# Allegro board MB1209_REVD_160617_FAB4.brd (continued)
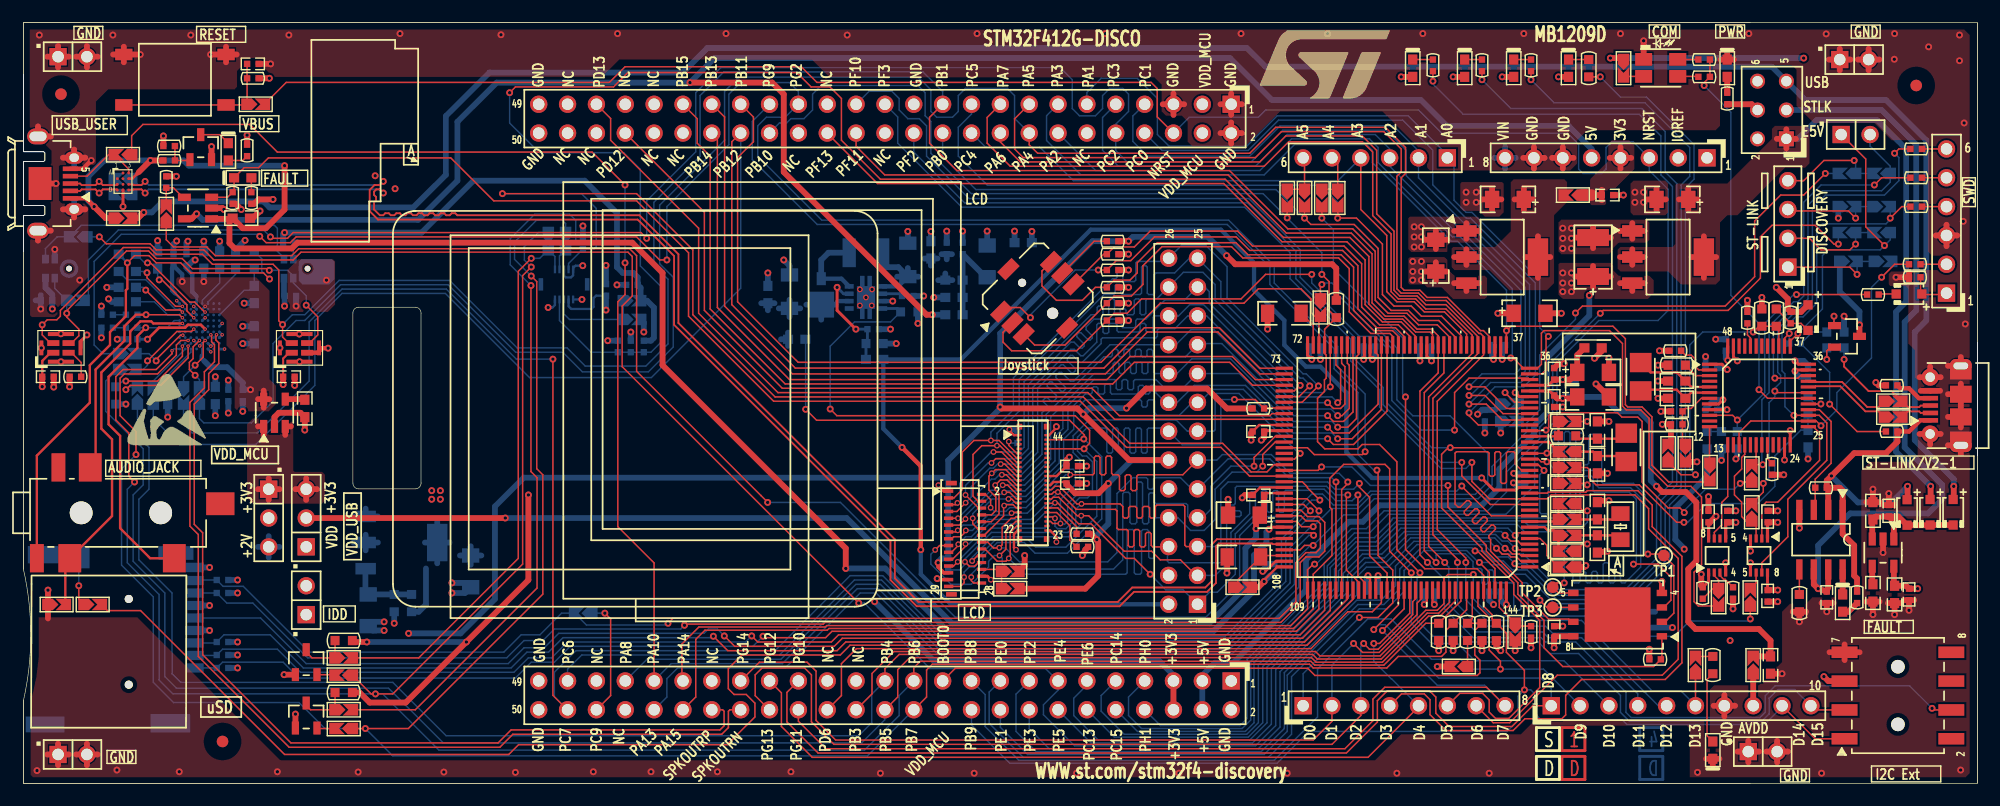
[diagram p0: board, top side]
## Routing (per net, layer and track width the routed paths; a pad name or vN(x,y) marks a point on that pad's centre or on a via; arc(x,y) is an arc through that point) (continued)
T_SWO: length 44.5
  TOP w0.127: SB24.1 153.16,25.65 v1(153.16,26.42) ; v1(154.18,34.54) 154.31,34.41 U6.31 ; R11.2 165.1,55.88 v1(164.72,55.5)
  BOTTOM w0.127: v1(153.16,26.42) 153.67,26.92 153.67,33.53 154.18,34.04 v1(154.18,34.54) 154.18,34.8 154.69,35.31 154.69,35.94 154.43,36.2 154.43,40.01 155.96,41.53 156.46,41.53 157.48,42.55 157.48,50.67 158.62,51.82 163.83,51.82 165.1,53.09 165.1,55.12 v1(164.72,55.5)
U5V: length 204.5
  TOP w0.508: D6.1 169.93,25.05 v1(169.93,26.16) ; v1(10.59,50.29) 10.08,49.78 R21.1
  BOTTOM w0.508: v1(10.59,50.29) 11.3,50.29 12.27,51.26 21.13,51.26 21.67,50.72 34.32,50.72 37.19,53.59 37.19,58.78 41.02,62.61 58.04,62.61 60.2,64.77 107.7,64.77 109.35,63.12 153.92,63.12 JP3.5 156.84,60.2 163.96,60.2 167.51,56.64 167.51,40.77 166.5,39.75 166.5,30.23 169.93,26.8 v1(169.93,26.16)
U5V_ST_LINK: length 66.8
  TOP w0.508: U8.6 157.61,17.53 v1(157.99,17.14) C32.2 158.88,17.27 U8.7
  BOTTOM w0.508: JP3.3 163.58,59.31 166.62,56.26 166.62,41.66 165.61,40.64 165.61,29.59 168.91,26.29 168.91,25.02 167.67,23.77 160.81,23.77 157.99,20.95 v1(157.99,17.14)
USB_RENUMN: length 2.2
  TOP w0.127: U6.38 155.03,39.21 v1(155.45,39.62)
  BOTTOM w0.127: R83.2 v1(155.45,39.62)
VL: length 13.8
  BOTTOM w0.381: U17.1 77,43.77 C81.1
  BOTTOM w0.508: L3.2 81.78,44.32 ; L3.2 81.15,44.91 ; L3.2 80.53,44.32 ; C78.2 80.47,46.23 ; C78.2 79.3,46.23 ; C78.2 79.88,45.61 ; 80.82,46.61 C85.2 ; C85.2 81.74,46.61 ; C85.2 81.28,46.15 ; L5.1 75.64,45.77 75.95,45.47 77.01,45.47 C81.1 ; C81.1 78.79,44.63 ; C81.1 76.91,44.63 ; C81.1 77.85,45.39
VREF+: length 44.8
  TOP w0.254: U7.32 134.35,34.56 C17.2
  TOP w0.508: C15.1 136.65,33.91 v1(135.51,33.91) 135,33.91 C17.2 ; R74.1 C38.2 153.8,12.57 152.78,13.59 147.19,13.59 146.56,14.22 146.56,18.87 147.27,19.58 147.27,24.74 146.35,25.65 144.27,25.65 v1(143.76,26.16)
  BOTTOM w0.508: v1(135.51,33.91) 135.64,34.04 R91.1 139.06,34.04 140.33,32.77 142.24,32.77 143.26,31.75 143.26,26.67 v1(143.76,26.16)
VUSB_ST_LINK: length 34.9
  TOP w0.381: R42.2 165.99,30.99 166.98,31.97 CN6.1
  TOP w0.508: D4.1 165.86,25.03 v1(165.86,26.16) ; R42.2 164.97,30.1 163.96,29.08 161.16,29.08 v1(159.16,27.08) 158.75,26.67 R51.1 ; R60.2 161.42,18.03 161.16,18.29 161.16,20.95 160.15,21.97 U8.1 160.15,25.78 159.89,26.04 R51.1 ; U8.2 158.88,25.91 R51.1
  BOTTOM w0.508: v1(159.16,27.08) 161.49,24.74 164.44,24.74 v1(165.86,26.16)

## Copper pours and planes (outline as drawn; the poured copper is in the pictures)
+1V8 on TOP: 13.59,44.58 20.47,44.58 21.67,43.38 21.67,35.59 22.23,35.03 22.23,33.4 21.59,32.77 18.92,32.77 18.8,32.89 18.77,32.89 18.59,33.07 18.59,37.85 17.88,38.56 17.88,40.79 17.27,41.4 16.38,41.4 15.11,42.67 14.73,42.67 13.46,43.94 13.46,44.45
+2V on BOTTOM: 40.64,19.05 40.39,18.8 37.85,18.8 37.59,18.54 34.67,18.54 33.4,19.81 27.69,19.81 26.67,18.8 20.7,18.8 20.19,19.3 20.19,22.23 20.45,22.48 25.91,22.48 26.29,22.1 34.04,22.1 35.31,23.37 40.39,23.37 40.64,23.11
+3V3 on TOP (solid shape): 137.67,51.31 136.75,51.31 136.24,51.82 136.75,52.32 137.67,52.32
+3V3 on TOP: 26.29,24.64 20.19,24.64 19.68,25.15 19.68,31.62 20.19,32.13 23.37,32.13 23.75,31.75 23.75,27.56 23.88,27.43 26.29,27.43 26.54,27.18 26.54,24.89
+3V3 on TOP: 139.32,52.12 139.32,51.05 139.19,50.93 138.05,50.93 137.92,51.05 137.92,53.21 139.52,54.81 139.52,56.34 139.83,56.64 141.35,56.64 141.81,56.18 141.81,54.1 140.11,52.4 139.6,52.4
+3V3 on BOTTOM: 27.3,22.86 25.53,24.64 20.8,24.64 20.32,25.12 20.32,27.3 20.57,27.56 26.19,27.56 26.92,26.82 26.92,25.91 27.56,25.27 34.42,25.27 35.56,26.42 37.47,26.42 37.59,26.29 37.59,24.13 37.21,23.75 34.92,23.75 34.04,22.86
+3V3 on L2_VCC: 49.28,15.75 49.28,21.34 48.26,22.35 23.62,22.35 23.5,22.48 23.5,24 22.61,24.89 20.7,24.89 20.45,25.15 20.45,28.83 20.95,29.34 28.45,29.34 28.57,29.21 28.57,26.54 34.54,26.54 34.54,42.42 34.42,42.55 27.94,42.55 27.94,48.39 27.05,49.28 22.63,49.28 21.72,48.37 21.72,37.44 21.23,36.96 16.74,36.96 16.38,37.32 16.38,38.76 16.51,38.88 16.51,40.49 15.98,41.02 14.71,41.02 14.08,41.66 12.42,41.66 11.81,42.27 11.81,53.57 11.15,54.23 10.01,54.23 9.27,54.97 9.27,57.43 10.01,58.17 19.66,58.17 20.45,58.95 20.45,59.97 20.93,60.45 22.33,60.45 24.26,62.38 24.26,66.49 149.61,66.49 149.61,51.29 148.87,50.55 138.41,50.55 138.05,50.91 138.05,52.85 139.45,54.25 139.45,57 138.54,57.91 122.3,57.91 122.3,58.91 119.87,61.34 103.15,61.34 102.11,60.3 102.11,48.92 105.79,45.23 105.79,28.09 106.96,26.92 113.94,26.92 114.43,26.44 114.43,21.31 113.81,20.7 112.54,20.7 111.78,19.94 108.73,19.94 104.16,15.37 49.66,15.37
+3V3_ST_LINK on TOP (solid shape): 141.37,63.34 140.86,62.83 140.35,63.34 140.35,64.26 141.37,64.26
+3V3_ST_LINK on TOP (solid shape): 145.29,28.99 144.78,29.5 144.27,28.99 144.27,30.35 145.29,30.35
+3V3_ST_LINK on BOTTOM (solid shape): 160.81,45.97 160.31,45.47 159.38,45.47 159.38,46.48 160.31,46.48
+3V3_ST_LINK on L2_VCC: 156.32,13.97 155.45,14.84 155.45,21.31 153.01,23.75 149.75,23.75 148.61,22.61 144.02,22.61 144.02,32.62 142.85,33.78 141.58,33.78 141.22,34.14 141.22,42.04 154.54,42.04 156.21,43.71 156.21,54.74 154.31,56.64 154.31,66.17 154.63,66.49 171.49,66.49 171.49,13.97
+5V on TOP: 125.48,45.21 125.98,44.7 128.65,44.7 128.84,44.51 128.84,42.86 128.65,42.67 125.86,42.67 124.84,43.69 123.57,43.69 123.32,43.94 122.05,43.94 121.92,44.07 121.92,46.23 122.05,46.35 125.09,46.35 125.48,45.97
+5V on L2_VCC: 126.47,42.55 125.45,43.56 123.68,43.56 123.3,43.94 122.03,43.94 121.92,44.05 121.92,51.58 122.3,51.96 122.3,57.4 138.32,57.4 138.94,56.79 138.94,54.46 137.54,53.06 137.54,50.69 138.2,50.04 149.08,50.04 150.11,51.08 150.11,66.04 150.37,66.29 153.54,66.29 153.8,66.04 153.8,56.39 155.7,54.48 155.7,43.92 154.33,42.55
GND on TOP (solid shape): 3.08,15.75 2.57,15.24 1.65,15.24 1.65,16.26 2.57,16.26
GND on TOP (solid shape): 88.14,18.16 86.78,18.16 87.28,18.67 86.77,19.18 88.14,19.18
GND on TOP (solid shape): 125.95,10.29 126.46,9.78 125.09,9.78 125.09,10.79 126.46,10.79
GND on TOP (solid shape): 131.83,12.06 130.81,12.06 130.81,13.43 131.32,12.92 131.83,13.43
GND on TOP (solid shape): 146.81,27.81 145.8,27.81 145.8,29.17 146.3,28.67 146.81,29.18
GND on BOTTOM (solid shape): 130.97,31.88 130.46,31.37 129.54,31.37 129.54,32.38 130.46,32.38
GND on BOTTOM (solid shape): 160.69,50.8 160.18,50.29 159.26,50.29 159.26,51.31 160.18,51.31
GND on BOTTOM (solid shape): 54.84,40.35 53.47,40.35 53.98,40.86 53.48,41.37 54.84,41.37
GND on BOTTOM (solid shape): 27.38,45.94 27.38,44.4 26.92,43.94 24.54,43.94 24.23,44.25 24.23,45.11 24.22,45.14 24.21,45.22 24.2,45.3 24.2,45.34 24.5,45.34 24.5,45.27 24.51,45.21 24.53,45.15 24.56,45.09 24.59,45.04 24.64,44.99 24.68,44.94 24.73,44.91 24.79,44.87 24.85,44.85 24.91,44.84 24.98,44.83 25.04,44.83 25.11,44.84 25.17,44.85 25.23,44.87 25.28,44.91 25.34,44.94 25.38,44.99 25.42,45.04 25.46,45.09 25.49,45.15 25.51,45.21 25.52,45.27 25.52,45.34 25.52,45.4 25.51,45.47 25.49,45.53 25.46,45.59 25.42,45.64 25.38,45.69 25.34,45.73 25.28,45.77 25.23,45.8 25.17,45.83 25.11,45.84 25.04,45.85 24.98,45.85 24.91,45.84 24.85,45.83 24.79,45.8 24.73,45.77 24.68,45.73 24.64,45.69 24.59,45.64 24.56,45.59 24.53,45.53 24.51,45.47 24.5,45.4 24.5,45.34 24.2,45.34 24.2,45.38 24.21,45.46 24.22,45.53 24.23,45.57 24.23,45.94 24.48,46.19 27.13,46.19
GND on BOTTOM (solid shape): 4.82,45.3 4.82,45.22 4.8,45.14 4.78,45.06 4.74,44.99 4.71,44.92 4.66,44.85 4.61,44.79 4.55,44.73 4.49,44.68 4.42,44.63 4.35,44.6 4.27,44.57 4.19,44.55 4.11,44.53 4.03,44.53 3.95,44.53 3.87,44.54 3.79,44.56 3.71,44.58 3.64,44.62 3.57,44.66 3.51,44.7 3.44,44.76 3.39,44.82 3.34,44.88 3.3,44.95 3.26,45.02 3.24,45.1 3.21,45.18 3.2,45.26 3.2,45.34 3.5,45.34 3.5,45.27 3.51,45.21 3.53,45.15 3.56,45.09 3.6,45.04 3.64,44.99 3.68,44.94 3.74,44.91 3.79,44.87 3.85,44.85 3.92,44.84 3.98,44.83 4.04,44.83 4.11,44.84 4.17,44.85 4.23,44.87 4.29,44.91 4.34,44.94 4.39,44.99 4.43,45.04 4.46,45.09 4.49,45.15 4.51,45.21 4.52,45.27 4.53,45.34 4.52,45.4 4.51,45.47 4.49,45.53 4.46,45.59 4.43,45.64 4.39,45.69 4.34,45.73 4.29,45.77 4.23,45.8 4.17,45.83 4.11,45.84 4.04,45.85 3.98,45.85 3.92,45.84 3.85,45.83 3.79,45.8 3.74,45.77 3.68,45.73 3.64,45.69 3.6,45.64 3.56,45.59 3.53,45.53 3.51,45.47 3.5,45.4 3.5,45.34 3.2,45.34 3.2,45.42 3.21,45.5 3.24,45.58 3.26,45.65 3.3,45.73 3.34,45.8 3.39,45.86 3.44,45.92 3.51,45.97 3.57,46.02 3.64,46.06 3.71,46.1 3.79,46.12 3.87,46.14 3.95,46.15 4.03,46.15 4.11,46.15 4.19,46.13 4.27,46.11 4.35,46.08 4.42,46.04 4.49,46 4.55,45.95 4.61,45.89 4.66,45.83 4.71,45.76 4.74,45.69 4.78,45.62 4.8,45.54 4.82,45.46 4.82,45.38
GND on TOP: 27.24,46.16 27.43,45.97 27.43,42.16 26.8,41.53 23.5,41.53 23.24,41.78 23.24,45.21 24.19,46.16
GND on TOP: 130.18,52.96 130.3,52.83 130.3,50.29 129.92,49.91 128.65,49.91 128.14,50.42 126.75,50.42 126.49,50.67 126.49,52.83 126.62,52.96
GND on TOP: 0.84,0.53 0.64,0.74 0.64,7.15 0.73,7.49 1.14,9.4 1.35,11.15 1.35,14.63 10.01,14.63 22.61,2.03 119,2.03 121.28,4.32 131.83,4.32 133.02,5.51 148.46,5.51 148.46,8.26 148.84,8.64 151.84,8.64 151.84,7.67 152.27,5.89 152.71,7.67 152.71,8.64 152.78,8.64 152.91,8.76 153.16,8.76 153.16,9.08 154.33,9.08 154.33,10.29 154.43,10.29 154.81,10.67 154.81,15.11 155.51,15.81 155.8,15.81 155.8,14.97 156.87,14.97 156.87,15.81 156.91,15.81 157.48,16.38 158.34,16.38 158.34,15.72 159.16,15.72 159.16,16.38 159.38,16.38 159.64,16.13 159.64,15.62 159.77,15.49 161.54,15.49 161.8,15.75 161.8,27.56 162.56,28.32 166.24,28.32 166.75,28.83 166.75,30.86 167.39,31.5 167.39,34.04 166.75,34.67 166.75,35.51 166.5,35.76 166.5,38.16 165.93,38.73 165.93,43.56 165.67,43.81 164.34,43.81 164.21,43.94 164.21,44.96 164.34,45.08 165.35,45.08 165.48,45.09 165.61,45.21 168.5,45.21 170.21,45.55 168.74,46.48 168.02,46.48 167.64,46.86 167.64,50.56 168.38,50.56 168.39,50.52 170.23,50.8 168.39,51.08 168.38,51.04 167.64,51.04 167.64,53.1 168.38,53.1 168.39,53.06 170.23,53.34 168.39,53.62 168.38,53.58 167.64,53.58 167.64,55.64 168.38,55.64 168.39,55.6 170.23,55.88 168.39,56.16 168.38,56.12 167.64,56.12 167.64,56.39 167.39,56.64 164.47,56.64 162.94,58.17 157.61,58.17 156.08,59.69 156.08,62.87 155.7,63.25 149.45,63.25 149.45,63.22 149.35,63.12 149.35,57.91 148.97,57.53 137.67,57.53 136.78,56.64 136.78,54.61 136.14,53.98 123.83,53.98 123.57,54.23 123.57,54.54 123.58,54.55 123.64,55.53 122.8,56.03 122.78,56.03 119.63,59.18 110.62,59.18 107.57,56.13 102.87,56.13 102.49,56.52 102.49,58.29 101.98,58.8 100.58,58.8 100.2,59.18 100.2,61.54 99.57,62.18 70.98,62.18 69.41,63.75 52.45,63.75 50.93,62.23 22.11,62.23 21.93,62.5 21.62,62.59 21.21,62.99 21.21,63.75 21.08,63.88 19.28,63.88 19.23,63.83 19.23,63.17 18.8,62.74 18.8,61.34 18.58,61.13 7.45,61.13 6.38,60.05 6.38,54.64 6.2,54.46 5.26,54.46 5.16,54.52 5.34,55.35 4.73,55.77 4.19,55.77 3.58,55.36 3.73,54.64 3.75,54.53 3.66,54.46 3.33,54.46 3.33,54.46 3.23,54.46 3.12,54.36 3.12,51.33 3.28,51.17 3.28,51.15 3.31,51.15 3.38,51.08 3.56,51.08 3.65,51.03 3.61,50.24 4.19,49.9 4.73,49.9 5.33,50.29 5.22,50.99 5.21,51.01 5.21,51.08 5.36,51.08 5.72,50.72 5.72,44.6 3.12,42 3.03,41.98 2.96,42.03 2.06,41.83 2.91,41.47 2.92,41.49 3,41.49 3,41.33 2.74,41.07 2,41.07 1.99,41.07 0.74,41.07 0.58,41.22 0.58,47.82 0.63,47.9 0.72,47.91 0.87,47.87 1.03,47.86 1.53,47.86 2.32,48.44 2,49.36 1.98,49.38 1.98,49.45 2.08,49.45 2.41,49.78 2.41,51.08 2.41,51.08 2.39,51.19 2.48,51.26 2.59,51.26 2.59,54.41 2.51,54.41 2.41,54.47 2.43,54.58 2.46,54.61 2.46,55.73 2.02,56.17 1.99,56.25 2.03,56.32 2.32,57.24 1.53,57.81 1.03,57.81 0.86,57.79 0.7,57.74 0.6,57.75 0.56,57.83 0.56,66.4 170.84,66.4 171.32,65.91 171.32,0.89 170.97,0.53 ; 4 cut-outs
GND on TOP: 143.13,49.4 143.13,47.88 142.88,47.62 140.59,47.62 139.57,46.61 135.38,46.61 135.13,46.86 135.13,49.4 135.38,49.66 142.88,49.66
GND on TOP: 122.05,49.91 128.02,49.91 128.4,49.53 128.4,47.75 128.27,47.62 125.6,47.62 125.35,47.37 125.35,46.86 125.29,46.8 122.17,46.8 121.92,47.05 121.92,49.78
GND on TOP: 141.73,53.09 144.53,53.09 144.78,52.83 144.78,50.29 144.53,50.04 141.73,50.04 141.48,50.29 141.48,52.83
GND on BOTTOM: 144.15,52.07 144.15,45.85 144.02,45.72 144.02,42.29 143.38,41.66 140.34,41.66 137.79,44.2 137.79,46.1 137.29,46.61 136.02,46.61 132.33,50.29 132.33,56.26 132.84,56.77 135.94,56.77 136.4,56.31 136.4,53.85 137.16,53.09 143.13,53.09
GND on BOTTOM: 3.18,47.24 4.95,47.24 5.33,46.86 5.33,43.81 5.08,43.56 3.43,43.56 3.3,43.69 3.3,44.86 3.3,44.87 3.18,45.3 3.18,45.85 2.54,45.85 2.41,45.97 2.41,47.24 2.54,47.37 3.05,47.37 ; 1 cut-out
GND on BOTTOM: 139.7,40.51 144.27,40.51 144.91,39.88 144.91,32.38 144.53,32 143.89,32 142.49,33.4 140.46,33.4 139.32,34.54 137.79,34.54 137.29,35.05 137.29,38.1
GND on BOTTOM: 1.02,0.51 0.76,0.76 0.76,4.31 3.81,4.31 3.81,6.06 0.76,6.06 0.76,7.49 1.27,11.68 1.27,15.37 0.72,19.08 0.74,19.16 0.82,19.2 3.64,19.2 3.64,21.08 0.64,21.08 0.64,47.8 0.68,47.88 0.77,47.9 0.9,47.87 1.03,47.86 1.53,47.86 2.31,48.39 2.08,49.3 2.05,49.37 2.08,49.45 2.54,49.91 2.54,51.05 2.16,51.44 2.16,54.23 2.54,54.61 2.54,55.75 2.08,56.22 2.05,56.29 2.08,56.36 2.31,57.27 1.53,57.81 1.03,57.81 0.9,57.8 0.77,57.77 0.68,57.78 0.64,57.86 0.64,65.91 1.14,66.42 170.81,66.42 171.2,66.04 171.2,45.09 170.69,44.58 168.53,44.58 168.02,45.09 168.02,56.9 164.21,60.71 157.48,60.71 157.23,60.96 157.23,64.26 156.97,64.52 139.45,64.52 138.62,63.69 109.66,63.69 108.08,65.28 59.59,65.28 58.19,63.88 40.54,63.88 36.21,59.55 36.21,53.94 34.04,51.77 32.46,51.77 32.26,51.97 32.26,53.02 31.83,53.45 31.53,53.45 31.27,53.19 25.12,53.19 23.19,55.12 14.73,55.12 14.22,55.63 7.24,55.63 5.59,53.98 5.59,53.95 5.28,53.65 5.28,51.13 5.59,50.82 5.59,50.16 4.7,49.28 3.05,49.28 2.92,49.15 2.92,48.51 1.65,47.24 1.65,46.74 1.47,46.74 1.47,45.62 1.65,45.62 1.65,45.06 1.47,45.06 1.47,43.94 1.51,43.94 1.51,43.48 1.65,43.33 1.65,43.18 1.71,43.13 1.73,43.01 1.63,42.95 1.12,42.95 1.12,42.14 2.03,42.14 2.03,41.53 2.92,40.64 5.59,40.64 5.98,40.25 5.98,38.51 6.6,37.89 6.6,32.64 8,31.24 8,19.18 10.92,16.26 10.92,8.51 12.7,6.73 17.91,6.73 22.61,2.03 85.85,2.03 86.49,1.4 110.87,1.4 113.41,3.94 146.71,3.94 147.7,4.93 147.83,4.93 147.83,14.48 143,14.48 142.75,14.73 142.75,16.76 147.83,21.84 147.83,23.62 148.59,24.38 155.07,24.38 156.97,26.29 159.26,26.29 159.64,25.91 159.64,23.24 160.02,22.86 171.07,22.86 171.32,22.61 171.32,0.94 170.89,0.51 ; 2 cut-outs
GND on BOTTOM: 117.22,51.18 121.67,51.18 128.78,44.07 128.78,41.15 127.51,39.88 122.3,39.88 116.2,45.97 116.2,50.16
GND on L3_GND: 0.51,0.51 0.51,7.23 1.15,13.07 0.51,18.9 0.51,49.52 2,49.52 2.39,49.92 2.39,50.99 2,51.39 0.51,51.39 0.51,54.27 2,54.27 2.39,54.67 2.39,55.74 2,56.14 0.51,56.14 0.51,66.49 171.32,66.49 171.32,0.51 ; 1 cut-out
VDD on TOP (solid shape): 88.14,16.64 86.78,16.64 87.28,17.14 86.77,17.65 88.14,17.65
VDD on BOTTOM (solid shape): 54.84,42 53.47,42 53.98,42.51 53.48,43.02 54.84,43.02
VDD on L2_VCC: 0.51,0.51 0.51,7.23 1.15,13.07 0.51,18.9 0.51,49.52 2,49.52 2.39,49.92 2.39,50.99 2,51.39 0.51,51.39 0.51,54.27 2,54.27 2.39,54.67 2.39,55.74 2,56.14 0.51,56.14 0.51,66.49 23.75,66.49 23.75,62.59 22.12,60.96 20.72,60.96 19.94,60.18 19.94,59.16 19.45,58.67 9.8,58.67 8.76,57.64 8.76,54.76 9.8,53.72 10.94,53.72 11.3,53.36 11.3,42.06 12.21,41.15 13.86,41.15 14.5,40.51 15.77,40.51 16,40.28 16,39.09 15.88,38.97 15.88,37.11 16.53,36.45 21.44,36.45 22.23,37.23 22.23,48.15 22.84,48.77 26.8,48.77 27.43,48.13 27.43,41.91 28.57,41.91 28.57,30.1 28.32,29.84 20.7,29.84 19.94,29.08 19.94,24.89 20.45,24.38 22.35,24.38 22.99,23.75 22.99,16.76 24,15.75 33.66,15.75 34.29,15.11 34.29,8.15 34.95,7.49 76.96,7.49 79.5,4.95 81.79,4.95 84.45,7.62 119.61,7.62 120.4,8.4 120.4,9.67 123.8,13.08 138.54,13.08 140.08,14.63 140.08,18.18 144,22.1 148.82,22.1 149.97,23.24 152.8,23.24 154.94,21.1 154.94,14.63 156.1,13.46 171.49,13.46 171.49,0.51
VDD_MCU on TOP (solid shape): 137.16,18.54 136.24,18.54 135.73,19.05 136.24,19.56 137.16,19.56
VDD_MCU on TOP (solid shape): 108.58,16.76 107.22,16.76 107.73,17.27 107.22,17.78 108.58,17.78
VDD_MCU on BOTTOM (solid shape): 130.97,33.4 130.46,32.89 129.54,32.89 129.54,33.91 130.46,33.91
VDD_MCU on L2_VCC: 79.76,5.46 77.22,8 35.16,8 34.8,8.36 34.8,15.49 33.91,16.38 24.26,16.38 23.5,17.14 23.5,21.72 23.62,21.84 48.01,21.84 48.77,21.08 48.77,15.62 49.53,14.86 104.37,14.86 108.94,19.43 111.99,19.43 112.75,20.19 114.02,20.19 114.94,21.1 114.94,26.65 114.15,27.43 107.17,27.43 106.3,28.3 106.3,45.44 102.62,49.13 102.62,60.09 103.36,60.83 119.66,60.83 121.79,58.7 121.79,52.18 121.41,51.79 121.41,43.84 121.81,43.43 123.08,43.43 123.47,43.05 125.24,43.05 126.26,42.04 140.72,42.04 140.72,33.93 141.37,33.27 142.64,33.27 143.51,32.41 143.51,22.33 139.57,18.39 139.57,14.84 138.32,13.59 123.59,13.59 119.89,9.88 119.89,8.61 119.4,8.13 84.07,8.13 81.41,5.46
VIN on TOP: 140.14,45.02 140.46,44.7 143.13,44.7 143.51,44.32 143.51,43.18 143,42.67 135.51,42.67 135.13,43.05 135.13,45.72 135.25,45.85 139.7,45.85 140.14,45.4
VIN on BOTTOM: 136.7,42.8 134.8,42.8 134.37,43.23 134.37,44.22 128.98,49.61 128.98,56.34 129.44,56.79 131.55,56.79 131.95,56.39 131.95,50.09 136.04,46 136.86,46 137.06,45.8 137.06,43.15
2_CKIN on TOP (solid shape): 114.68,40.64 113.67,40.64 113.67,42 114.17,41.5 114.68,42.01
BLGND on L3_GND: 69.22,50.55 87.25,50.55 87.63,50.16 87.63,47.62 83.06,43.05 83.06,39.5 82.17,38.61 68.58,38.61 65.02,42.16 65.02,46.35
E5V on TOP: 140.59,45.09 144.78,45.09 145.92,43.94 148.97,43.94 149.35,44.32 149.35,49.4 149.99,50.04 150.88,50.04 155.07,54.23 156.84,54.23 157.23,54.61 157.23,57.66 156.97,57.91 154.18,57.91 153.92,57.66 153.92,56.77 149.99,52.83 145.54,52.83 145.41,52.7 145.41,47.5 145.16,47.24 140.59,47.24 140.34,46.99 140.34,45.34
I2C1_SCL on TOP (solid shape): 29.46,9.02 28.54,9.02 28.04,9.53 28.54,10.03 29.46,10.03
I2C1_SCL on BOTTOM (solid shape): 46.71,48.1 46.2,47.6 45.69,48.1 45.69,49.03 46.71,49.03
I2C1_SCL_CTP on TOP (solid shape): 29.46,10.54 28.1,10.54 28.61,11.05 28.1,11.56 29.46,11.56
I2C1_SCL_CTP on BOTTOM (solid shape): 46.2,47.34 46.71,47.85 46.71,46.49 45.69,46.49 45.69,47.85
I2C1_SDA on TOP (solid shape): 29.46,4.32 28.54,4.32 28.04,4.83 28.54,5.33 29.46,5.33
I2C1_SDA on BOTTOM (solid shape): 48.23,48.1 47.73,47.6 47.22,48.1 47.22,49.03 48.23,49.03
I2C1_SDA_CTP on TOP (solid shape): 29.46,5.97 28.1,5.97 28.61,6.47 28.1,6.99 29.46,6.99
I2C1_SDA_CTP on BOTTOM (solid shape): 47.73,47.34 48.23,47.85 48.23,46.49 47.22,46.49 47.22,47.85
MICROAB_N on BOTTOM (solid shape): 8.35,51.86 8.85,51.36 7.49,51.36 7.49,52.37 8.86,52.37
MICROAB_P on BOTTOM (solid shape): 8.35,53.26 8.85,52.76 7.49,52.76 7.49,53.77 8.86,53.77
NETB1_1 on TOP (solid shape): 20.61,59.82 20.1,59.31 19.18,59.31 19.18,60.33 20.1,60.33
NETC3_1 on TOP (solid shape): 135.98,51.82 136.49,51.31 135.13,51.31 135.13,52.32 136.49,52.32
NETC3_1 on TOP: 134.11,43.43 130.81,43.43 129.03,45.21 125.98,45.21 125.73,45.47 125.73,47.12 125.86,47.24 129.54,47.24 130.94,48.64 130.94,52.96 131.19,53.21 135.64,53.21 135.89,52.96 135.89,51.18 134.75,50.04 134.75,44.07
NETC21_1 on TOP (solid shape): 137.16,28.7 136.24,28.7 135.73,29.21 136.24,29.72 137.16,29.72
NETC23_1 on TOP (solid shape): 137.16,22.73 135.8,22.73 136.3,23.24 135.79,23.75 137.16,23.75
NETC30_1 on TOP (solid shape): 137.16,21.34 135.8,21.34 136.3,21.84 135.79,22.35 137.16,22.35
NETC31_1 on TOP (solid shape): 107.47,17.27 106.97,16.76 106.05,16.76 106.05,17.78 106.97,17.78
NETC69_1 on TOP (solid shape): 137.16,27.3 135.8,27.3 136.3,27.81 135.79,28.32 137.16,28.32
NETC77_1 on BOTTOM: 64.9,42.8 67.56,42.8 68.07,43.31 71.63,43.31 71.75,43.18 71.75,40.39 71.63,40.26 68.2,40.26 67.82,39.88 67.82,38.1 67.69,37.97 66.29,37.97 66.17,38.1 66.17,40.01 65.91,40.26 64.9,40.26 64.64,40.51 64.64,42.55
NETCN1_5 on TOP (solid shape): 114.81,51.91 114.3,51.4 113.79,51.91 113.79,52.83 114.81,52.83
NETCN1_5 on TOP (solid shape): 116.2,51.91 115.7,51.4 115.19,51.91 115.19,52.83 116.2,52.83
NETCN1_6 on TOP (solid shape): 111.76,51.91 111.25,51.4 110.74,51.91 110.74,52.83 111.76,52.83
NETCN1_6 on TOP (solid shape): 113.28,51.91 112.78,51.4 112.27,51.91 112.27,52.83 113.28,52.83
NETCN3_4 on TOP (solid shape): 8.35,55.37 8.86,54.86 7.49,54.86 7.49,55.88 8.85,55.88
NETCN5_1 on BOTTOM (solid shape): 163.86,45.97 163.35,45.47 162.43,45.47 162.43,46.48 163.35,46.48
NETCN5_1 on BOTTOM (solid shape): 161.93,45.47 160.56,45.47 161.07,45.98 160.56,46.48 161.93,46.48
NETCN5_2 on BOTTOM (solid shape): 161.8,48.01 160.88,48.01 160.37,48.51 160.88,49.02 161.8,49.02
NETCN5_2 on BOTTOM (solid shape): 163.16,48.51 163.67,48.01 162.31,48.01 162.31,49.02 163.67,49.02
NETCN5_3 on BOTTOM (solid shape): 163.73,50.8 163.23,50.29 162.31,50.29 162.31,51.31 163.23,51.31
NETCN5_3 on BOTTOM (solid shape): 161.8,50.29 160.43,50.29 160.94,50.8 160.44,51.31 161.8,51.31
NETCN5_4 on BOTTOM (solid shape): 161.8,53.21 160.88,53.21 160.37,53.72 160.88,54.23 161.8,54.23
NETCN5_4 on BOTTOM (solid shape): 163.16,53.72 163.67,53.21 162.31,53.21 162.31,54.23 163.67,54.23
NETCN6_2 on TOP (solid shape): 165.86,31.75 164.5,31.75 165.01,32.26 164.5,32.77 165.86,32.77
NETCN6_3 on TOP (solid shape): 165.86,33.15 164.5,33.15 165.01,33.65 164.5,34.16 165.86,34.16
NETCN9_3 on TOP (solid shape): 4.19,15.24 2.83,15.24 3.34,15.75 2.83,16.26 4.19,16.26
NETCN12_8 on TOP (solid shape): 152.78,10.06 152.78,9.14 151.76,9.14 151.76,10.06 152.27,10.57
NETCN13_10 on TOP (solid shape): 6.25,15.75 5.75,15.24 4.83,15.24 4.83,16.26 5.75,16.26
NETCN14_8 on BOTTOM (solid shape): 53.73,42.51 53.22,42 52.3,42 52.3,43.02 53.22,43.02
NETCN14_8 on BOTTOM (solid shape): 53.73,40.86 53.22,40.35 52.3,40.35 52.3,41.37 53.22,41.37
NETCN15_24 on TOP (solid shape): 87.03,18.67 86.52,18.16 85.6,18.16 85.6,19.18 86.52,19.18
NETCN15_24 on TOP (solid shape): 87.03,17.14 86.52,16.64 85.6,16.64 85.6,17.65 86.52,17.65
NETLD5_4 on TOP (solid shape): 141.37,61.72 140.35,61.72 140.35,63.08 140.86,62.58 141.37,63.09
NETP2_46 on BOTTOM (solid shape): 50.55,14.48 49.63,14.48 49.12,14.99 49.63,15.49 50.55,15.49
NETR16_2 on TOP (solid shape): 13.08,50.07 12.58,50.58 12.07,50.07 12.07,51.44 13.08,51.44
NETR33_1 on TOP (solid shape): 145.29,28.73 145.29,27.81 144.27,27.81 144.27,28.73 144.78,29.24
NETR54_2 on TOP (solid shape): 136.05,23.24 135.54,22.73 134.62,22.73 134.62,23.75 135.54,23.75
NETR54_2 on TOP (solid shape): 135.48,24.64 135.99,24.13 134.62,24.13 134.62,25.15 135.98,25.15
NETR56_2 on TOP (solid shape): 136.05,21.84 135.54,21.34 134.62,21.34 134.62,22.35 135.54,22.35
NETR56_2 on TOP (solid shape): 135.48,20.45 135.99,19.94 134.62,19.94 134.62,20.95 135.98,20.95
NETR58_2 on TOP (solid shape): 149.73,16.73 149.22,16.22 148.72,16.73 148.72,17.65 149.73,17.65
NETR65_1 on TOP (solid shape): 28.35,11.05 27.84,10.54 26.92,10.54 26.92,11.56 27.84,11.56
NETR68_2 on TOP (solid shape): 127.64,9.78 126.71,9.78 126.21,10.29 126.71,10.79 127.64,10.79
NETR71_2 on TOP (solid shape): 131.83,13.68 131.32,13.18 130.81,13.68 130.81,14.61 131.83,14.61
NETR73_1 on TOP (solid shape): 147.7,10.32 147.2,10.83 146.69,10.32 146.69,11.68 147.7,11.68
NETR86_1 on BOTTOM (solid shape): 10.41,37.34 9.05,37.34 9.56,37.85 9.05,38.35 10.41,38.35
NETR87_1 on TOP (solid shape): 28.35,6.48 27.84,5.97 26.92,5.97 26.92,6.99 27.84,6.99
NETR88_1 on BOTTOM (solid shape): 10.41,35.94 9.05,35.94 9.56,36.45 9.05,36.96 10.41,36.96
NETR93_1 on BOTTOM (solid shape): 16,34.07 15.49,34.58 14.99,34.07 14.99,35.43 16,35.43
NETR94_2 on BOTTOM (solid shape): 14.61,34.51 14.1,34 13.59,34.51 13.59,35.43 14.61,35.43
NETR95_1 on BOTTOM (solid shape): 11.94,34.07 11.43,34.58 10.92,34.07 10.92,35.43 11.94,35.43
NETR96_1 on BOTTOM (solid shape): 10.54,34.07 10.03,34.58 9.53,34.07 9.53,35.43 10.54,35.43
NETSB26_1 on TOP (solid shape): 135.48,19.05 135.99,18.54 134.62,18.54 134.62,19.56 135.98,19.56
NETSB32_1 on BOTTOM (solid shape): 4.41,48.13 4.92,47.62 3.56,47.62 3.56,48.64 4.92,48.64
NETSB33_2 on BOTTOM (solid shape): 4.73,42.55 4.22,42.04 3.3,42.04 3.3,43.05 4.22,43.05
NETSB34_1 on BOTTOM (solid shape): 132.08,32.89 130.71,32.89 131.22,33.4 130.72,33.91 132.08,33.91
NETSB34_1 on BOTTOM (solid shape): 132.08,31.37 130.71,31.37 131.22,31.88 130.72,32.38 132.08,32.38
NETSB37_1 on TOP (solid shape): 27.78,4.83 28.29,4.32 26.92,4.32 26.92,5.33 28.29,5.33
NETSB40_1 on TOP (solid shape): 27.78,9.53 28.29,9.02 26.92,9.02 26.92,10.03 28.29,10.03
NRST on TOP (solid shape): 152.65,26.96 152.65,26.04 151.64,26.04 151.64,26.96 152.15,27.46
NRST on TOP (solid shape): 21.72,59.31 20.36,59.31 20.86,59.81 20.35,60.33 21.72,60.33
PA2 on TOP (solid shape): 149.73,15.11 148.72,15.11 148.72,16.47 149.22,15.97 149.73,16.48
PA3 on TOP (solid shape): 148.97,26.16 147.96,26.16 147.96,27.52 148.46,27.02 148.97,27.53
PA4 on BOTTOM (solid shape): 16,33.81 16,32.89 14.99,32.89 14.99,33.81 15.49,34.32
PA5 on TOP (solid shape): 147.7,10.06 147.7,9.14 146.69,9.14 146.69,10.06 147.19,10.57
PA8 on TOP (solid shape): 114.68,42.26 114.17,41.75 113.67,42.26 113.67,43.18 114.68,43.18
PA9 on TOP (solid shape): 8.92,49.78 8.41,49.28 7.49,49.28 7.49,50.29 8.41,50.29
PA10 on TOP (solid shape): 10.03,54.86 9.11,54.86 8.6,55.37 9.11,55.88 10.03,55.88
PA11 on BOTTOM (solid shape): 10.03,51.36 9.11,51.36 8.6,51.87 9.11,52.37 10.03,52.37
PA12 on BOTTOM (solid shape): 10.03,52.76 9.11,52.76 8.6,53.26 9.11,53.77 10.03,53.77
PA13 on BOTTOM (solid shape): 160.11,53.72 160.62,53.21 159.26,53.21 159.26,54.23 160.62,54.23
PA14 on BOTTOM (solid shape): 160.11,48.51 160.62,48.01 159.26,48.01 159.26,49.02 160.62,49.02
PB0 on TOP (solid shape): 113.28,50.29 112.27,50.29 112.27,51.65 112.77,51.15 113.28,51.66
PB3 on TOP (solid shape): 152.53,16.03 152.53,15.11 151.51,15.11 151.51,16.03 152.02,16.54
PB4 on BOTTOM (solid shape): 10.54,33.81 10.54,32.89 9.53,32.89 9.53,33.81 10.03,34.32
PB5 on BOTTOM (solid shape): 9.3,36.45 8.79,35.94 7.87,35.94 7.87,36.96 8.79,36.96
PB9 on TOP (solid shape): 114.81,50.29 113.79,50.29 113.79,51.65 114.3,51.15 114.81,51.66
PB10 on TOP (solid shape): 111.76,50.29 110.74,50.29 110.74,51.65 111.25,51.15 111.76,51.66
PB12 on BOTTOM (solid shape): 11.94,33.81 11.94,32.89 10.92,32.89 10.92,33.81 11.43,34.32
PC2 on BOTTOM (solid shape): 5.84,42.04 4.48,42.04 4.99,42.55 4.48,43.05 5.84,43.05
PC5 on TOP (solid shape): 116.2,50.29 115.19,50.29 115.19,51.65 115.69,51.15 116.2,51.66
PC7 on BOTTOM (solid shape): 14.1,33.75 14.61,34.25 14.61,32.89 13.59,32.89 13.59,34.26
PC9 on BOTTOM (solid shape): 48.86,14.98 49.37,14.48 48.01,14.48 48.01,15.49 49.37,15.49
PC14 on TOP (solid shape): 137.16,19.94 136.24,19.94 135.73,20.45 136.24,20.95 137.16,20.95
PC15 on TOP (solid shape): 137.16,24.13 136.24,24.13 135.73,24.64 136.24,25.15 137.16,25.15
PD3 on TOP (solid shape): 7.37,15.24 6,15.24 6.51,15.75 6,16.26 7.37,16.26
PE4 on BOTTOM (solid shape): 6.1,47.62 5.18,47.62 4.67,48.13 5.18,48.64 6.1,48.64
PG2 on BOTTOM (solid shape): 9.3,37.85 8.79,37.34 7.87,37.34 7.87,38.35 8.79,38.35
PG8 on TOP (solid shape): 13.08,49.82 13.08,48.9 12.07,48.9 12.07,49.82 12.57,50.32
PH0 on TOP (solid shape): 137.16,25.91 135.8,25.91 136.3,26.41 135.79,26.92 137.16,26.92
PH0-OSC_IN on TOP (solid shape): 136.05,27.81 135.54,27.3 134.62,27.3 134.62,28.32 135.54,28.32
PH0-OSC_IN on TOP (solid shape): 136.05,26.42 135.54,25.91 134.62,25.91 134.62,26.92 135.54,26.92
PH0-OSC_IN on TOP (solid shape): 135.48,29.21 135.99,28.7 134.62,28.7 134.62,29.72 135.98,29.72
PH1 on TOP (solid shape): 137.16,31.37 135.8,31.37 136.3,31.87 135.79,32.38 137.16,32.38
PH1-OSC_OUT on TOP (solid shape): 136.05,31.88 135.54,31.37 134.62,31.37 134.62,32.38 135.54,32.38
STL_USB_DM on TOP (solid shape): 164.75,32.26 164.24,31.75 163.32,31.75 163.32,32.77 164.24,32.77
STL_USB_DP on TOP (solid shape): 164.75,33.66 164.24,33.15 163.32,33.15 163.32,34.16 164.24,34.16
STLINK_TX on TOP (solid shape): 148.97,27.78 148.46,27.27 147.96,27.78 147.96,28.7 148.97,28.7
STM_JTCK on BOTTOM (solid shape): 164.85,48.01 163.93,48.01 163.42,48.51 163.93,49.02 164.85,49.02
STM_JTMS on BOTTOM (solid shape): 164.85,53.21 163.93,53.21 163.42,53.72 163.93,54.23 164.85,54.23
STM_RST on TOP (solid shape): 146.81,29.43 146.3,28.92 145.8,29.43 145.8,30.35 146.81,30.35
SWO_MCU on TOP (solid shape): 152.53,16.29 152.02,16.8 151.51,16.29 151.51,17.65 152.53,17.65
T_JTCK on BOTTOM (solid shape): 164.97,45.47 163.61,45.47 164.12,45.98 163.61,46.48 164.97,46.48
T_JTDO on TOP (solid shape): 152.65,23.53 152.65,22.61 151.64,22.61 151.64,23.53 152.15,24.03
T_JTMS on BOTTOM (solid shape): 164.85,50.29 163.48,50.29 163.99,50.8 163.48,51.31 164.85,51.31
T_NRST on TOP (solid shape): 152.65,27.21 152.15,27.72 151.64,27.21 151.64,28.57 152.65,28.57
T_SWO on TOP (solid shape): 152.65,23.78 152.15,24.29 151.64,23.78 151.64,25.15 152.65,25.15
U5V on TOP (solid shape): 10.03,49.28 8.67,49.28 9.18,49.78 8.67,50.29 10.03,50.29
VL on BOTTOM: 81.84,43.92 76.58,43.92 76.58,45.72 76.73,45.87 78.87,45.87 78.99,46 78.99,46.74 79.12,46.86 81.79,46.86 81.92,46.74 81.92,43.99
VREF+ on TOP (solid shape): 152.78,10.32 152.28,10.83 151.76,10.32 151.76,11.68 152.78,11.68
GND on TOP (solid shape): 171,37.37 171.35,37.23 171.5,36.87 171.5,35.57 169.6,35.57 169.6,36.87 169.75,37.23 170.1,37.37
GND on TOP (solid shape): 171.5,29.67 171.35,29.32 171,29.17 170.1,29.17 169.75,29.32 169.6,29.67 169.6,30.97 171.5,30.97
GND on BOTTOM (solid shape): 171,37.37 171.35,37.23 171.5,36.87 171.5,35.57 169.6,35.57 169.6,36.87 169.75,37.23 170.1,37.37
GND on BOTTOM (solid shape): 171.5,29.67 171.35,29.32 171,29.17 170.1,29.17 169.75,29.32 169.6,29.67 169.6,30.97 171.5,30.97

Small or netless copper shapes (teardrops, artwork), in the pictures only: 8 on TOP

## Text on the board
Ref Des/Silkscreen Bottom: ST-LINK/V2-1 | uSD | Rev.D | B | D | MB1209 | LCD ref:FRD 154BP2902-CTP
Ref Des/Silkscreen Top: USB_USER | GND | AUDIO_JACK | RESET | VDD_MCU | VBUS | FAULT | IDD | A | LCD | Joystick | COM | PWR | AVDD | E5V | STLK | USB | ST-LINK/V2-1 | I2C Ext | NC | PD12 | PA13 | PA15 | SPKOUTRP | PB14 | SPKOUTRN | PB12 | PB10 | PF13 | PF11 | PF2 | PB0 | PC4 | PA6 | PA4 | PA2 | PC2 | PC0 | NRST | +3V3 | +2V | VDD | VDD_USB | PC7 | PC6 | PC9 | PD13 | PA8 | PA10 | PB15 | PA14 | PB13 | PB11 | PG14 | PG13 | PG9 | PG12 | PG2 | PG11 | PG10 | PD6 | PF10 | PB3 | PF3 | PB5 | PB4 | PB7 | PB6 | PB1 | BOOT0 | PB8 | PB9 | PC5 | PE0 | PE1 | PA7 | PA5 | PE2 | PE3 | PA3 | PE5 | PE4 | PE6 | PA1 | PC13 | PC3 | PC14 | PC15 | PC1 | PH0 | PH1 | +5V | A5 | D0 | A4 | D1 | D2 | A3 | D3 | A2 | D4 | A1 | A0 | D5 | D6 | VIN | D7 | D8 | D9 | 5V | D10 | 3V3 | D11 | D12 | IOREF | D13 | ST-LINK | D14 | D15 | DISCOVERY | SWD | uSD | S | D | STM32F412G-DISCO | WWW.st.com/stm32f4-discovery | MB1209D
User.7: D
User.32: U1
User.38: FIGURE | SIZE | 6.0 | 12.0 | 20.0 | 33.0 | 36.0 | 40.0 | 28.0 | 39.0 | 47.0 | 79.0 | 33.0x30.0 | 51.0x24.0 | 59.0x33.0 | TOLERANCE | +3.0/-3.0 | +2.0/-2.0 | +5.0/-5.0 | DRILL CHART: TOP to BOTTOM | ALL UNITS ARE IN MILS | PLATED | NON-PLATED | ROTATION | - | 0.000 | QTY | 29 | 597 | 2 | 6 | 186 | 3 | 1 | 836 | TOTAL HOLES:
